# KiCad board handheld.kicad_pcb (continued)
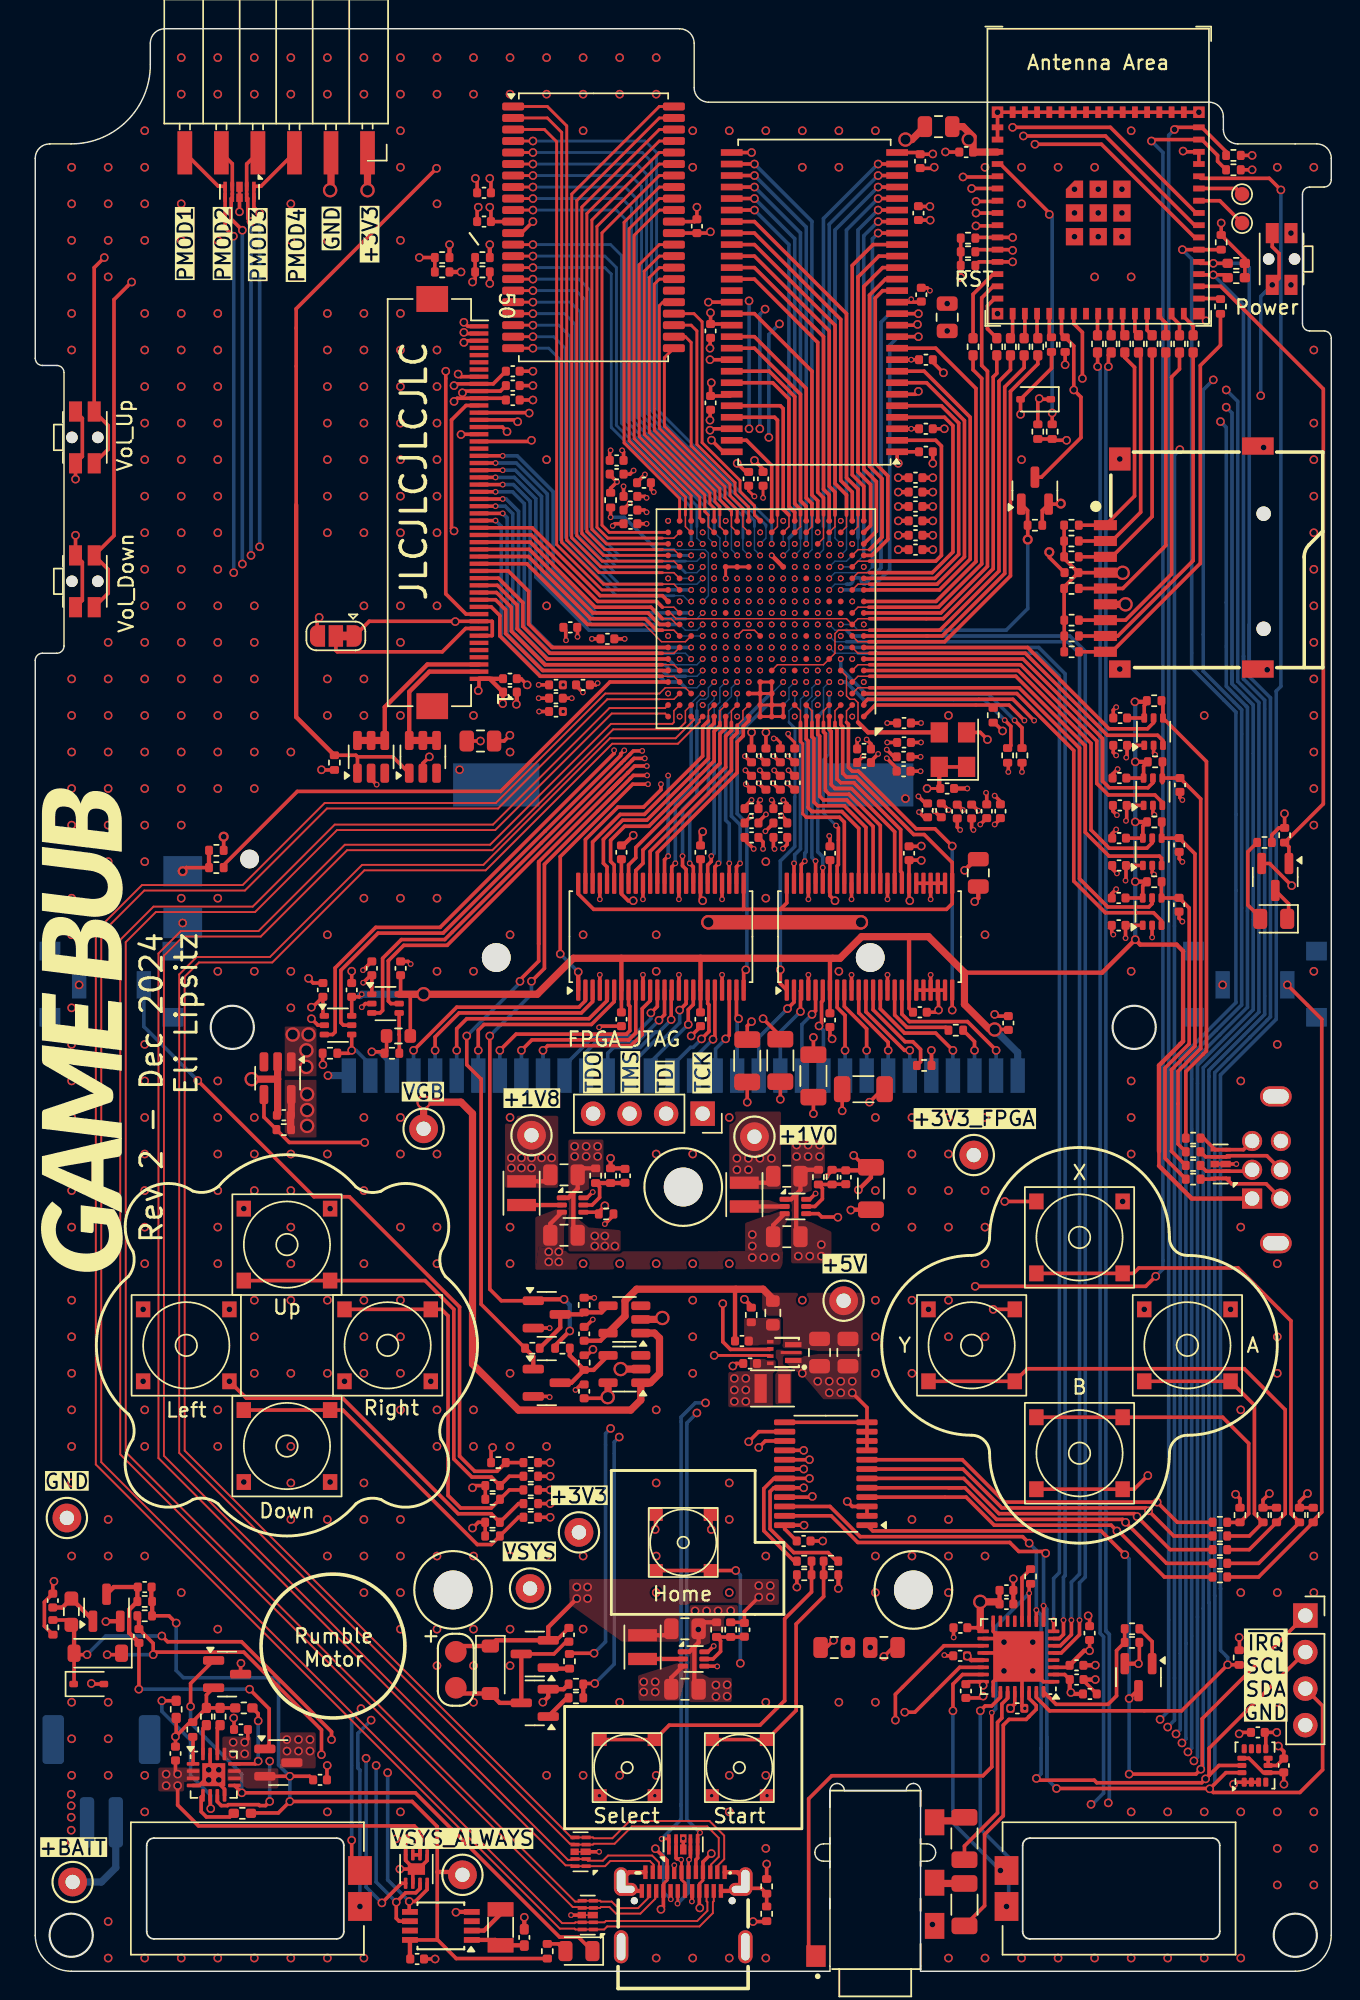
[diagram p0: board, top side]
## Routing (per net, layer and track width the routed paths; a pad name or vN(x,y) marks a point on that pad's centre or on a via; arc(x,y) is an arc through that point) (continued)
GB_Cart_AD14: length 14.1
  F.Cu (SIG) w0.25: v3(44.5,77) 44.25,76.75 U1902.35
  B.Cu (SIG) w0.1: 45.6,88 45.6,88.12 46.28,88.8 v3(46.4,88.8)
  B.Cu (SIG) w0.25: v3(44.5,77) 44.5,81.25 45.6,82.35 45.6,88
GB_Cart_AD15: length 18.6
  F.Cu (SIG) w0.25: U1902.36 43.75,77.25 v3(44,77.5)
  In2.Cu (SIG) w0.1: v3(48,91.2) 47.8,91.2 47.4,90.8 47.07,90.8 46.8,90.53 46.8,90.27 46.53,90 45.2,90
  In2.Cu (SIG) w0.25: 45.2,90 45.15,89.95 45.15,87.55 45.4,87.3 45.4,84.5 v3(44,83.1)
  B.Cu (SIG) w0.25: v3(44,83.1) v3(44,77.5)
GB_Cart_PHI: length 15
  F.Cu (SIG) w0.1: U601.B3 55.6,87.6 55.6,86.8
  F.Cu (SIG) w0.25: U1904.32 60.25,76.35 60.16,76.43 60.16,79.34 56.91,82.6 56,82.6 55.74,82.86 55.74,86.33 55.6,86.47 55.6,86.8
GB_Cart_VIN: length 47.3
  F.Cu (SIG) w0.25: U1903.3 20.67,65.1 20.85,65.28 20.85,69.73 23.67,72.55 28.15,72.55 40.24,84.64 v3(40.24,84.86)
  In2.Cu (SIG) w0.1: v3(48,95.2) 47.6,95.6 44.4,95.6
  In2.Cu (SIG) w0.25: v3(40.24,84.86) 40.24,89.14 41.5,90.4 41.5,92.7 44.4,95.6
GB_Cart_~{CS1}: length 14.1
  F.Cu (SIG) w0.25: U1904.36 58.25,79.56 56.41,81.4 54.8,81.4 54.53,81.67 54.53,85.84 54.4,85.97 U601.A5
GB_Cart_~{CS2}: length 41.8
  F.Cu (SIG) w0.25: U1901.3 23.97,66.6 24.15,66.78 24.15,70.4 25.45,71.7 28.47,71.7 35.19,78.41 40.74,83.96 41.58,84.81 v3(42.2,84.81)
  In2.Cu (SIG) w0.1: 45.2,94 46.8,94 v3(47.2,93.6)
  In2.Cu (SIG) w0.25: v3(42.2,84.81) 42.3,84.92 42.3,92.3 44,94 45.2,94
GB_Cart_~{OE}: length 48.2
  F.Cu (SIG) w0.25: U1904.48 52.25,74.25 51.8,73.8 ; 49.2,73.8 51.8,73.8 ; 49.2,73.8 38.83,73.8 37.75,74.88 U1902.48 ; 49.2,73.8 49.25,73.85 U1902.25 ; 51.8,73.8 63.35,73.8 63.75,74.2 U1904.25 63.75,77.05 61.8,79 61.07,79 57.07,83 56.4,83 56.14,83.26 56.14,86.5 56,86.63 U601.A3
GB_Cart_~{RD}: length 15
  F.Cu (SIG) w0.1: 54.8,86.8 54.8,87.6 U601.B4
  F.Cu (SIG) w0.25: U1904.35 58.75,79.63 56.58,81.8 55.2,81.8 54.94,82.06 54.94,86 54.8,86.14 54.8,86.8
GB_Cart_~{WR}: length 14.1
  F.Cu (SIG) w0.25: U601.A4 55.2,86.3 55.34,86.17 55.34,82.47 55.6,82.2 56.74,82.2 59.75,79.19 U1904.33
GB_Dir_Cart0: length 29.5
  F.Cu (SIG) w0.25: v1(36.5,70.7) 36.5,77.47 41.53,82.5 v3(42.6,82.5)
  F.Cu (SIG) w0.3: U1902.1 v1(37.75,69.45)
  In2.Cu (SIG) w0.1: 45.2,90.8 46.53,90.8 46.93,91.2 v3(47.2,91.2)
  In2.Cu (SIG) w0.25: 45.2,90.8 44.75,90.35 44.75,87.79 44.3,87.34 44.3,84.2 v3(42.6,82.5)
  B.Cu (SIG) w0.25: v1(37.75,69.45) v1(36.5,70.7)
GB_Dir_Cart1: length 24.1
  F.Cu (SIG) w0.25: v1(49.4,69.6) 49.25,69.45 U1902.24
  B.Cu (SIG) w0.1: 52,88 52.4,88.4 52.4,89.2 v3(52.8,89.6)
  B.Cu (SIG) w0.25: v1(49.4,69.6) 49.47,69.67 49.47,79.78 48.8,80.45 48.8,85.91 50.89,88 52,88
GB_Dir_Cart2: length 21.6
  F.Cu (SIG) w0.25: U1904.1 51.8,68.64 v1(51.8,69.6)
  B.Cu (SIG) w0.1: 52.4,86.8 52.4,87.6 52.8,88 v3(52.8,88.8)
  B.Cu (SIG) w0.2: 52.82,81.62 52.82,86.38 52.4,86.8
  B.Cu (SIG) w0.25: 52.8,81.62 52.8,78.17 51.8,77.17 v1(51.8,69.6)
GB_Dir_Cart3: length 26.8
  F.Cu (SIG) w0.1: 56.4,86.8 56.4,87.6 U601.B2
  F.Cu (SIG) w0.25: U1904.24 v1(63.75,66.8) ; v1(63.75,78.2) 62.55,79.4 61.24,79.4 57.24,83.4 56.8,83.4 56.54,83.66 56.54,86.66 56.4,86.8
  B.Cu (SIG) w0.25: v1(63.75,66.8) v1(63.75,78.2)
GB_Dir_SC: length 23
  F.Cu (SIG) w0.25: U601.G1 69,92 74.65,86.35 77.32,86.35 77.75,86.78 U2004.5
GB_Dir_SD: length 26
  F.Cu (SIG) w0.25: U2002.5 77.71,82.6 77.35,82.25 74.67,82.25 74.2,82.72 74.2,85.67 68.67,91.2 U601.F1
GB_Dir_SI: length 29.2
  F.Cu (SIG) w0.25: U2003.5 77.66,78.43 77.28,78.05 74.67,78.05 73.4,79.32 73.4,85.34 68.34,90.4 U601.E1
GB_Dir_SO: length 33.1
  F.Cu (SIG) w0.1: U601.C2 57.2,89.2 58,89.2
  F.Cu (SIG) w0.25: 58,89.2 68.41,89.2 72.6,85.01 72.6,75.93 74.56,73.97 77.42,73.97 77.65,74.19 U2001.5
GB_Dir_VIN: length 45
  F.Cu (SIG) w0.25: v3(40.95,84.85) 40.7,84.6 40.7,84.49 35.45,79.25 28.35,72.15 23.83,72.15 21.25,69.56 21.25,65.92 21.42,65.75 U1903.5
  In2.Cu (SIG) w0.1: v3(47.2,95.2) 46.8,94.8 44.4,94.8
  In2.Cu (SIG) w0.25: 44.4,94.8 44.23,94.8 41.9,92.47 41.9,85.8 v3(40.95,84.85)
GB_Dir_~{CS2}: length 40.4
  F.Cu (SIG) w0.25: U1901.5 24.72,67.25 24.55,67.42 24.55,70.23 25.62,71.3 28.64,71.3 41.12,83.78 41.63,84.29 v3(42.38,84.29)
  In2.Cu (SIG) w0.1: 45.2,93.2 46.8,93.2 v3(47.2,92.8)
  In2.Cu (SIG) w0.25: 45.2,93.2 44.4,93.2 44.35,93.25 43.81,93.25 43.55,92.99 43.55,92.61 42.7,91.76 42.7,84.62 v3(42.38,84.29)
GB_Link_SC: length 24.6
  F.Cu (SIG) w0.1: U601.G2 57.2,91.6 58,91.6
  F.Cu (SIG) w0.25: 58,91.6 68.83,91.6 74.53,85.9 78.02,85.9 78.4,85.52 U2004.3
GB_Link_SD: length 27.6
  F.Cu (SIG) w0.1: U601.E2 57.2,90.8 58,90.8
  F.Cu (SIG) w0.25: U2002.3 78.35,81.23 77.84,81.75 74.6,81.75 73.8,82.55 73.8,85.5 68.5,90.8 58,90.8
GB_Link_SI: length 30.9
  F.Cu (SIG) w0.1: 58,90 57.2,90 U601.D2
  F.Cu (SIG) w0.25: 58,90 68.17,90 73,85.17 73,79.15 74.65,77.5 78.16,77.5 78.31,77.35 U2003.3
GB_Link_SO: length 32.9
  F.Cu (SIG) w0.25: U2001.3 78.29,73.01 77.74,73.56 74.4,73.56 72.2,75.76 72.2,84.84 68.24,88.8 U601.C1
HDMI_CLK+: length 129
  F.Cu (SIG) w0.13: J501.A10 46.99,6.94 46.99,7.41 47.52,7.95 47.52,9.26 46.72,10.06 41.48,10.06 40.28,8.86 38.83,8.86 38.77,8.8 D503.4 D503.7 37.47,8.86 37.17,8.86 10.01,36.02 10.01,69.28 11.22,70.49 16.32,70.49 22.72,76.89 31.15,76.89 39.95,85.69 44.52,85.69 45.81,86.98 45.81,86.99 U601.A16
HDMI_CLK-: length 129
  F.Cu (SIG) w0.13: U601.A15 46.19,86.99 46.19,86.82 44.68,85.31 40.11,85.31 31.31,76.51 22.88,76.51 16.48,70.11 11.38,70.11 10.39,69.12 10.39,36.18 37.33,9.24 37.47,9.24 D503.6 D503.5 38.77,9.3 38.83,9.24 40.12,9.24 41.32,10.44 46.88,10.44 47.9,9.42 47.9,7.79 47.37,7.26 47.37,6.94 J501.A11
HDMI_D0+: length 141
  F.Cu (SIG) w0.1: 43.4,88.4 44.4,88.4 U601.C17
  F.Cu (SIG) w0.13: 43.4,88.4 39.77,88.4 32.18,80.81 20.28,80.81 14.58,75.11 7.58,75.11 4.59,72.12 4.59,35.38 36.63,3.34 37.5,3.34 37.56,3.4 D502.9 D502.2 39.58,3.4 39.67,3.49 46.02,3.49 46.73,4.2 46.73,4.81 46.67,4.87 J501.B3
HDMI_D0-: length 143.9
  F.Cu (SIG) w0.1: U601.C16 45.2,89.2 43.8,89.2 43.4,88.8
  F.Cu (SIG) w0.13: J501.B2 47.17,4.87 47.11,4.81 47.11,4.04 46.18,3.11 39.76,3.11 39.55,2.9 D502.1 D502.10 37.56,2.9 37.5,2.96 36.47,2.96 4.21,35.22 4.21,72.28 7.42,75.49 14.42,75.49 20.12,81.19 32.02,81.19 39.63,88.8 43.4,88.8
HDMI_D1+: length 125.9
  F.Cu (SIG) w0.1: U601.B17 44.4,87.6 44.4,86.8
  F.Cu (SIG) w0.13: J501.A2 42.93,7.21 42.99,7.26 42.99,7.41 42.73,7.66 39.98,7.66 39.62,7.3 D503.1 D503.10 37.34,7.3 37.28,7.36 36.87,7.36 8.56,35.67 8.56,70.73 10.12,72.29 15.52,72.29 21.52,78.29 31.62,78.29 40.02,86.69 44.29,86.69 44.4,86.8
HDMI_D1-: length 126.3
  F.Cu (SIG) w0.1: U601.B16 45.2,87.6 45.2,86.8
  F.Cu (SIG) w0.13: J501.A3 43.42,7.21 43.37,7.26 43.37,7.56 42.89,8.04 39.82,8.04 39.46,7.68 38.42,7.68 D503.2 D503.9 37.34,7.8 37.28,7.74 37.03,7.74 8.94,35.82 8.94,70.58 10.28,71.91 15.68,71.91 21.68,77.91 31.78,77.91 40.18,86.31 44.71,86.31 45.2,86.8
HDMI_D2+: length 130.6
  F.Cu (SIG) w0.13: U601.A18 43.79,87.41 40.08,87.41 31.98,79.31 20.98,79.31 15.28,73.61 8.38,73.61 6.29,71.52 6.29,36.08 37.53,4.84 37.78,4.84 37.84,4.9 D502.6 D502.5 39.27,4.9 39.33,4.84 40.08,4.84 40.53,4.38 41.92,4.38 42.73,5.2 42.73,5.52 J501.B11 42.67,5.25 42.73,5.19
HDMI_D2-: length 132.5
  F.Cu (SIG) w0.13: U601.B18 43.79,87.79 39.92,87.79 31.82,79.69 20.82,79.69 15.12,73.99 8.22,73.99 5.91,71.68 5.91,35.92 37.37,4.46 37.78,4.46 37.84,4.4 D502.7 D502.4 39.27,4.4 39.33,4.46 39.92,4.46 40.38,4 42.07,4 43.11,5.04 43.11,5.52 J501.B10 43.17,5.25 43.11,5.19
I2C0_SCL: length 246.7
  F.Cu (SIG) w0.25: U401.33 80.95,117.9 v1(81.9,117.9) 82.7,117.9 R404.2 ; U1502.6 25.3,3.47 25.1,3.68 v1(25.1,4.8) 25.75,5.45 26.45,5.45 26.75,5.75 U201.7 ; v1(69.6,13.4) 69.72,13.28 73.62,13.28 73.8,13.1 81.1,13.1 v1(81.37,13.37) ; U1501.13 82.3,14.3 v1(81.37,13.37) ; v1(81.37,13.37) 81.61,13.61 81.61,15.49 J401.2 ; U1701.10 v3(69.6,25.1) ; v1(69.1,29.75) 68.65,30.2 57.35,30.2 55.25,32.3 U1601.22
  In2.Cu (SIG) w0.25: v1(23.7,14.3) 24.09,14.69 76.81,14.69 78.12,13.37 v1(81.37,13.37)
  B.Cu (SIG) w0.25: v1(69.1,29.75) 69.6,29.25 v3(69.6,25.1) 69.93,24.78 69.93,13.72 v1(69.6,13.4) ; 84,89.83 84,91.4 ; 84,91.4 84,89.81 85.47,88.33 85.47,66.5 81.6,62.62 81.6,25.6 81.61,25.59 81.61,13.61 v1(81.37,13.37) ; 84,91.4 84,115.8 v1(81.9,117.9) ; v1(23.7,14.3) 23.7,6.2 v1(25.1,4.8)
I2C0_SDA: length 254.7
  F.Cu (SIG) w0.25: U1601.23 55.34,31.65 57.19,29.8 67.75,29.8 68.38,29.17 70.12,29.17 v1(70.25,29.05) ; v1(81.65,12.68) 81.63,12.7 v1(71,12.7) ; v1(81.65,12.68) 81.9,12.43 87.93,12.43 89.5,14 89.5,18.44 J401.3 ; v1(81.65,12.68) 82.78,13.8 U1501.14 ; R405.2 v1(81.9,118.7) 81,118.7 U401.34 ; U1701.9 v3(70.1,25.4) ; U1502.5 26,4.18 v1(26,4.85) 26.42,4.85 27.25,5.68 U201.8
  In2.Cu (SIG) w0.25: v1(81.65,12.68) 78.25,12.68 76.64,14.29 24.99,14.29 v1(24.5,13.8)
  B.Cu (SIG) w0.25: v1(24.5,13.8) 24.5,6.35 v1(26,4.85) ; 70.32,13.47 70.32,16.3 ; v1(81.9,118.7) 84.1,118.7 84.4,118.4 84.4,93.6 ; v1(70.25,29.05) 70.1,28.9 v3(70.1,25.4) 70.32,25.18 70.32,16.3 ; 84.4,93.6 84.4,89.97 85.88,88.5 85.88,66.33 82,62.46 82,26.1 82.01,26.09 82.01,13.03 v1(81.65,12.68) ; 84.4,93.6 84.4,90 ; 70.32,16.3 70.32,13.38 v1(71,12.7)
LCD_BACKLIGHT: length 112.2
  F.Cu (SIG) w0.25: U401.38 80.7,122.2 74.75,128.15 v1(67.95,128.15) ; 22.4,84.4 24.86,84.4 U1301.1 ; 22.4,84.4 U1302.1 ; 22.4,84.4 22.29,84.51 R1301.1 ; 18.14,101.9 18.14,115.54 v1(27.9,125.3)
  F.Cu (SIG) w0.3: R1301.1 18.14,87.17 18.14,101.9
  In2.Cu (SIG) w0.25: v1(67.95,128.15) 66.55,128.15 65.3,129.4 29,129.4 27.9,128.3 v1(27.9,125.3)
LCD_D/~{CX}: length 42.5
  F.Cu (SIG) w0.25: v1(33.54,107.69) 33.41,107.82 J1301.37 ; U401.7 66.85,123 v1(65.4,123)
  In2.Cu (SIG) w0.25: v1(65.4,123) 61.7,119.3 46.16,119.3 34.55,107.69 v1(33.54,107.69)
LCD_DATA_EN: length 16.2
  F.Cu (SIG) w0.25: U601.F18 35.6,91.2 33.5,93.3 33.5,94.95 32.13,96.32 J1301.14
LCD_DB0: length 22.5
  F.Cu (SIG) w0.25: J1301.32 v3(32.5,105.32)
  B.Cu (SIG) w0.25: v3(32.5,105.32) 33.51,105.32 36,102.83 36,97.4 39,94.4 v3(45.6,94.4)
LCD_DB1: length 23.4
  F.Cu (SIG) w0.25: J1301.31 v3(32,104.82)
  B.Cu (SIG) w0.1: v3(46.4,94.4) 46,94 45.2,94
  B.Cu (SIG) w0.25: 45.2,94 38.83,94 35.6,97.23 35.6,102.66 33.44,104.82 v3(32,104.82)
LCD_DB2: length 23.5
  F.Cu (SIG) w0.25: J1301.30 v3(32.5,104.32)
  B.Cu (SIG) w0.1: 44.8,93.6 45.2,93.2 46,93.2 v3(46.4,93.6)
  B.Cu (SIG) w0.25: v3(32.5,104.32) 33.38,104.32 35.2,102.5 35.2,97.07 38.67,93.6 44.8,93.6
LCD_DB3: length 23.3
  F.Cu (SIG) w0.25: J1301.29 v3(32,103.82)
  B.Cu (SIG) w0.1: 43.6,93.2 44.4,93.2 44.8,92.8 v3(46.4,92.8)
  B.Cu (SIG) w0.25: v3(32,103.82) 33.31,103.82 34.8,102.33 34.8,96.9 38.5,93.2 43.6,93.2
LCD_DB4: length 24.5
  F.Cu (SIG) w0.25: J1301.28 v3(32.5,103.32)
  B.Cu (SIG) w0.25: v3(45.6,92) 36,92 34.4,93.6 34.4,102.17 33.25,103.32 v3(32.5,103.32)
LCD_DB5: length 24.6
  F.Cu (SIG) w0.25: J1301.27 v3(32,102.82)
  B.Cu (SIG) w0.1: 44.4,91.6 45.2,91.6 v3(45.6,91.2)
  B.Cu (SIG) w0.25: 44.4,91.6 35.83,91.6 34,93.43 34,102 33.18,102.82 v3(32,102.82)
LCD_DB6: length 25.3
  F.Cu (SIG) w0.25: J1301.26 v3(32.5,102.32)
  B.Cu (SIG) w0.1: 44.4,90.8 46,90.8 v3(46.4,91.2)
  B.Cu (SIG) w0.25: v3(32.5,102.32) 32.74,102.32 33.6,101.46 33.6,93.27 35.67,91.2 44,91.2 44.4,90.8
LCD_DB7: length 24.3
  F.Cu (SIG) w0.25: J1301.25 v3(32,101.82)
  B.Cu (SIG) w0.25: v3(45.6,90.4) 44.2,90.4 43.8,90.8 35.5,90.8 33.2,93.1 33.2,101.29 32.67,101.82 v3(32,101.82)
LCD_DB8: length 25.1
  F.Cu (SIG) w0.25: J1301.24 v3(32.5,101.32)
  B.Cu (SIG) w0.1: v3(46.4,90.4) 46,90 45.2,90
  B.Cu (SIG) w0.25: v3(32.5,101.32) 32.8,101.02 32.8,92.94 35.34,90.4 43.6,90.4 44,90 45.2,90
LCD_DB9: length 25
  F.Cu (SIG) w0.25: J1301.23 v3(32,100.82)
  B.Cu (SIG) w0.1: 45.2,89.2 46,89.2 v3(46.4,89.6)
  B.Cu (SIG) w0.25: 45.2,89.2 44.8,89.6 43.8,89.6 43.4,90 35.17,90 32.4,92.77 32.4,100.42 v3(32,100.82)
LCD_DB10: length 15.3
  F.Cu (SIG) w0.25: J1301.22 34.55,100.32 39.27,95.6 43.6,95.6 U601.L18
LCD_DB11: length 16.2
  F.Cu (SIG) w0.1: 43.6,94.8 44.4,94.8 U601.K17
  F.Cu (SIG) w0.25: 43.6,94.8 43.2,95.2 39.1,95.2 34.48,99.82 J1301.21
LCD_DB12: length 16.3
  F.Cu (SIG) w0.1: U601.J17 44.6,93.6 44.2,94 43.6,94
  F.Cu (SIG) w0.25: J1301.20 34.42,99.32 38.94,94.8 42.8,94.8 43.6,94
LCD_DB13: length 15.3
  F.Cu (SIG) w0.25: U601.J18 43.4,93.6 42.6,94.4 38.77,94.4 34.35,98.82 J1301.19
LCD_DB14: length 16.2
  F.Cu (SIG) w0.1: 43.6,93.2 44.4,93.2 U601.H17
  F.Cu (SIG) w0.25: J1301.18 34.29,98.32 38.61,94 42.4,94 43.2,93.2 43.6,93.2
LCD_DB15: length 17.2
  F.Cu (SIG) w0.1: 42.2,93.6 42.34,93.6 43.54,92.4 45.2,92.4 U601.H16
  F.Cu (SIG) w0.25: 42.2,93.6 38.4,93.6 34.18,97.82 J1301.17
LCD_DB16: length 16.7
  F.Cu (SIG) w0.25: J1301.16 32.89,97.32 34.3,95.91 34.3,93.63 35.93,92 U601.G18
LCD_DB17: length 17.2
  F.Cu (SIG) w0.1: U601.G17 44.4,91.6 43.6,91.6
  F.Cu (SIG) w0.25: 43.6,91.6 35.76,91.6 33.9,93.46 33.9,95.12 32.2,96.82 J1301.15
LCD_DOTCLK: length 17.2
  F.Cu (SIG) w0.1: U601.E17 44.4,90.8 43.6,90.8
  F.Cu (SIG) w0.25: J1301.13 32.07,95.82 33.1,94.79 33.1,93.13 35.43,90.8 43.6,90.8
LCD_HSYNC: length 16.2
  F.Cu (SIG) w0.25: J1301.12 32,95.32 32.7,94.62 32.7,92.97 35.27,90.4 U601.E18
LCD_SPI_CLK: length 42.6
  F.Cu (SIG) w0.25: v1(32.8,107) 32.48,107.32 J1301.36 ; U401.8 66.89,122.19 v1(65.41,122.19)
  In2.Cu (SIG) w0.25: v1(65.41,122.19) 65.16,122.19 61.87,118.9 46.5,118.9 34.6,107 v1(32.8,107) 32.86,107 32.88,106.97
LCD_SPI_PICO: length 42.3
  F.Cu (SIG) w0.25: v1(65.4,121.3) 66.85,121.3 U401.9 ; v1(34.5,106.4) 34.42,106.32 J1301.34
  In2.Cu (SIG) w0.25: v1(34.5,106.4) 34.7,106.4 46.8,118.5 62.03,118.5 64.83,121.3 v1(65.4,121.3)
LCD_TE: length 31
  F.Cu (SIG) w0.25: v1(29.12,100.1) 28.94,100.28 28.94,107.81 29.95,108.82 J1301.39
  In2.Cu (SIG) w0.1: v3(49.6,99.2) 49.22,99.58 45.22,99.58 45.1,99.7
  In2.Cu (SIG) w0.25: v1(29.12,100.1) 29.51,99.7 45.1,99.7
LCD_VSYNC: length 16.9
  F.Cu (SIG) w0.1: 43.6,90 44.4,90 U601.D17
  F.Cu (SIG) w0.25: 43.6,90 35.1,90 32.3,92.8 32.3,94.22 31.7,94.82 J1301.11
LCD_~{CS}: length 43.2
  F.Cu (SIG) w0.25: v1(34.34,108.29) 34.31,108.32 J1301.38 ; v1(65.1,123.9) U401.6
  In2.Cu (SIG) w0.25: v1(34.34,108.29) 34.43,108.29 45.84,119.7 61.53,119.7 63.3,121.47 63.3,122.6 64.6,123.9 v1(65.1,123.9)
LCD_~{RST}: length 63.7
  F.Cu (SIG) w0.25: U401.5 66.85,124.7 v1(64.5,124.7) ; J1301.10 29.95,94.32 28.54,95.73 v1(28.54,111.2)
  In2.Cu (SIG) w0.25: v1(64.5,124.7) 63.7,124.7 62.9,123.9 62.9,121.64 61.36,120.1 42.7,120.1 34.88,112.28 29.62,112.28 v1(28.54,111.2)
MCU_~{IRQ}: length 247.7
  F.Cu (SIG) w0.25: v1(76.05,18.95) 76.6,19.5 Q1701.3 ; U401.20 71.35,113.81 R403.2 72.2,112.96 v1(72.2,109.9) 72.7,109.4 72.7,106.59 69.95,103.84 Q1201.3 ; J401.1 81.13,17.55 81.13,14.14 v1(81.03,14.04) 80.69,13.7 v1(76.05,13.7) ; U201.5 25.46,6.11 v1(24.1,4.75) ; v1(75.75,28.95) 74.1,30.6 58.22,30.6 57.82,31
  In2.Cu (SIG) w0.25: v1(23,14.8) 23.29,15.09 76.97,15.09 78.02,14.04 v1(81.03,14.04) ; v1(72.2,109.9) v1(82.8,109.9)
  B.Cu (SIG) w0.25: v1(23,14.8) 23,5.85 v1(24.1,4.75) ; v1(81.03,14.04) 81.2,14.21 81.2,62.79 85.07,66.66 85.07,88.17 83.6,89.64 83.6,109.1 v1(82.8,109.9) ; v1(75.75,28.95) 76.05,28.65 v1(76.05,18.95) v1(76.05,13.7)
SDRAM_0_~{CS}: length 21.8
  F.Cu (SIG) w0.25: U1401.19 58.25,120 56.8,118.55 56.8,104 57.6,103.2 U601.V1
SDRAM_A0: length 27.2
  F.Cu (SIG) w0.25: v1(58.6,123.2) U1401.23
  B.Cu (SIG) w0.1: 56.4,101.2 56.4,98.8 v3(56,98.4)
  B.Cu (SIG) w0.25: v1(58.6,123.2) 58.59,123.2 56.4,121.01 56.4,101.2
SDRAM_A1: length 27.5
  F.Cu (SIG) w0.25: v1(58.6,124) U1401.24
  B.Cu (SIG) w0.1: 55.6,101.2 55.6,99.6 v3(56,99.2)
  B.Cu (SIG) w0.25: v1(58.6,124) 58.59,124 55.6,121.01 55.6,101.2
SDRAM_A2: length 28.3
  F.Cu (SIG) w0.25: v1(58.6,124.8) U1401.25
  B.Cu (SIG) w0.25: v3(55.2,99.2) 55.2,121.41 58.59,124.8 v1(58.6,124.8)
SDRAM_A3: length 30.3
  F.Cu (SIG) w0.25: v1(58.6,125.6) U1401.26
  B.Cu (SIG) w0.1: 54.8,100.4 54.8,98.8 v3(54.4,98.4)
  B.Cu (SIG) w0.25: v1(58.6,125.6) 58.59,125.6 54.8,121.81 54.8,100.4
SDRAM_A4: length 30.6
  F.Cu (SIG) w0.25: v1(50,125.6) U1401.29
  B.Cu (SIG) w0.1: v3(53.6,98.4) 54,98.8 54,100.4
  B.Cu (SIG) w0.25: 54,100.4 54,121.61 50.01,125.6 v1(50,125.6)
SDRAM_A5: length 28.7
  F.Cu (SIG) w0.25: v1(50,124.8) U1401.30
  B.Cu (SIG) w0.25: v3(53.6,99.2) 53.6,121.21 50.01,124.8 v1(50,124.8)
SDRAM_A6: length 28.7
  F.Cu (SIG) w0.25: v1(50,124) U1401.31
  B.Cu (SIG) w0.1: v3(52.8,98.4) 53.2,98.8 53.2,99.6
  B.Cu (SIG) w0.25: v1(50,124) 50.01,124 53.2,120.81 53.2,99.6
SDRAM_A7: length 27.9
  F.Cu (SIG) w0.25: v1(50,123.2) U1401.32
  B.Cu (SIG) w0.1: v3(52,98.4) 52.4,98.8 52.4,99.6
  B.Cu (SIG) w0.25: 52.4,99.6 52.8,100 52.8,120.41 50.01,123.2 v1(50,123.2)
SDRAM_A8: length 25.9
  F.Cu (SIG) w0.25: v1(50,122.4) U1401.33
  B.Cu (SIG) w0.1: v3(52,99.2) 52,100 52.4,100.4 52.4,101.2
  B.Cu (SIG) w0.25: 52.4,101.2 52.4,120 v1(50,122.4)
SDRAM_A9: length 26.3
  F.Cu (SIG) w0.1: U601.U2 57.2,100.4 57.2,101.2
  F.Cu (SIG) w0.25: 57.2,101.2 57.2,103 56.4,103.8 56.4,115.2 50,121.6 U1401.34
SDRAM_A10: length 28
  F.Cu (SIG) w0.25: v1(58.6,122.4) U1401.22
  B.Cu (SIG) w0.1: 57.2,99.6 57.2,98.8 56.4,98 55.6,98 v3(55.2,97.6)
  B.Cu (SIG) w0.25: v1(58.6,122.4) 58.59,122.4 57.2,121.01 57.2,99.6
SDRAM_A11: length 24.4
  F.Cu (SIG) w0.25: U1401.35 50,120.8 56,114.8 56,103.6 56.8,102.8 U601.V2
SDRAM_A12: length 24.4
  F.Cu (SIG) w0.1: 56.4,101.2 56.4,100.4 U601.U3
  F.Cu (SIG) w0.25: 56.4,101.2 56.4,102.6 55.6,103.4 55.6,114.4 50,120 U1401.36
SDRAM_BS0: length 28
  F.Cu (SIG) w0.25: v1(58.6,120.8) U1401.20
  B.Cu (SIG) w0.1: 58.2,97.6 57.8,97.2 55.6,97.2 v3(55.2,96.8)
  B.Cu (SIG) w0.25: 58.2,97.6 58.2,120.4 v1(58.6,120.8)
SDRAM_BS1: length 26.9
  F.Cu (SIG) w0.25: v1(58.6,121.6) U1401.21
  B.Cu (SIG) w0.1: 57.6,98.4 56.8,97.6 v3(56,97.6)
  B.Cu (SIG) w0.25: v1(58.6,121.6) 58.59,121.6 57.6,120.61 57.6,98.4
SDRAM_CKE: length 23.3
  F.Cu (SIG) w0.1: 55.6,101.2 55.6,100.4 U601.U4
  F.Cu (SIG) w0.25: U1401.37 50,119.2 55.2,114 55.2,103.2 55.6,102.8 55.6,101.2
SDRAM_CLK: length 21.3
  F.Cu (SIG) w0.25: U601.V4 55.2,102.6 54.8,103 54.8,113.6 50,118.4 U1401.38
SDRAM_DQ0: length 17.4
  F.Cu (SIG) w0.1: 58,98 57.2,98 U601.P2
  F.Cu (SIG) w0.25: U1401.2 62.6,106.4 63,106 63,98.4 62.6,98 58,98
SDRAM_DQ1: length 20.7
  F.Cu (SIG) w0.1: U601.N2 57.2,97.2 58,97.2
  F.Cu (SIG) w0.25: U1401.4 63.21,108 63.8,107.41 63.8,98.63 62.37,97.2 58,97.2
SDRAM_DQ2: length 21.2
  F.Cu (SIG) w0.25: U1401.5 63,108.8 64.2,107.6 64.2,98.47 62.53,96.8 U601.N1
SDRAM_DQ3: length 24
  F.Cu (SIG) w0.1: U601.M2 57.2,96.4 58,96.4
  F.Cu (SIG) w0.25: 58,96.4 62.7,96.4 64.6,98.3 64.6,107.77 61.97,110.4 U1401.7
SDRAM_DQ4: length 24.6
  F.Cu (SIG) w0.25: U1401.8 61.8,111.2 65,108 65,98.14 62.86,96 U601.M1
SDRAM_DQ5: length 27.6
  F.Cu (SIG) w0.25: U1401.10 62.6,112.8 65.4,110 65.4,97.97 62.63,95.2 U601.L1
SDRAM_DQ6: length 23.3
  F.Cu (SIG) w0.25: v1(61.4,113.6) U1401.11
  B.Cu (SIG) w0.25: v1(61.4,113.6) 60,113.6 59.4,113 59.4,97.4 58,96 v3(56,96)
SDRAM_DQ7: length 26.1
  F.Cu (SIG) w0.25: v1(61.4,115.2) U1401.13
  B.Cu (SIG) w0.1: 56.4,96.4 55.6,96.4 v3(55.2,96)
  B.Cu (SIG) w0.25: v1(61.4,115.2) 59.4,115.2 58.8,114.6 58.8,97.54 57.66,96.4 arc(57.5,96.47) 57.43,96.62 arc(57.37,96.78) 57.21,96.85 57.06,96.85 arc(56.9,96.78) 56.83,96.62 arc(56.77,96.47) 56.61,96.4 56.4,96.4
SDRAM_DQ8: length 17.8
  F.Cu (SIG) w0.25: U1401.42 50,115.2 54,111.2 54,102.6 54.4,102.2 U601.V5
SDRAM_DQ9: length 17
  F.Cu (SIG) w0.1: U601.U6 54,100.4 54,101.2
  F.Cu (SIG) w0.25: 54,101.2 54,102 53.6,102.4 53.6,110 50,113.6 U1401.44
SDRAM_DQ10: length 15.1
  F.Cu (SIG) w0.25: U601.V6 53.6,101.8 53.2,102.2 53.2,109.6 50,112.8 U1401.45
SDRAM_DQ11: length 14.9
  F.Cu (SIG) w0.1: U601.U7 53.2,100.4 53.2,101.2
  F.Cu (SIG) w0.25: 53.2,101.2 53.2,101.6 52.8,102 52.8,109.43 51.03,111.2 U1401.47
SDRAM_DQ12: length 13.1
  F.Cu (SIG) w0.25: U1401.48 51.27,110.4 52.4,109.27 52.4,101.8 52.8,101.4 U601.V7
SDRAM_DQ13: length 12.6
  F.Cu (SIG) w0.1: U601.U8 52.4,100.4 52.4,101.2
  F.Cu (SIG) w0.25: U1401.50 51.8,108.8 52,108.6 52,101.6 52.4,101.2
SDRAM_DQ14: length 11.2
  F.Cu (SIG) w0.1: 51.6,101.2 51.6,100.4 U601.U9
  F.Cu (SIG) w0.25: 51.6,101.2 51.6,107.8 51.4,108 U1401.51
SDRAM_DQ15: length 7.4
  F.Cu (SIG) w0.25: U1401.53 49.45,106.4 51.2,104.65 U601.V9
SDRAM_LDQM: length 21
  F.Cu (SIG) w0.25: U601.R1 58.17,98.4 59.28,99.51 59.28,103.92 58.4,104.8 58.4,116.28 58.91,116.8 U1401.15
SDRAM_UDQM: length 22.1
  F.Cu (SIG) w0.1: U601.T5 54.8,99.6 54.8,101.2
  F.Cu (SIG) w0.25: 54.8,101.2 54.8,102.4 54.4,102.8 54.4,113.2 50,117.6 U1401.39
SDRAM_~{CAS}: length 21.5
  F.Cu (SIG) w0.25: U601.T1 58.47,100.08 58.47,103.53 57.6,104.4 57.6,117.09 58.91,118.4 U1401.17
SDRAM_~{RAS}: length 21.6
  F.Cu (SIG) w0.25: U601.U1 58.07,100.47 58.07,103.33 57.2,104.2 57.2,117.75 58.65,119.2 U1401.18
SDRAM_~{WE}: length 22.2
  F.Cu (SIG) w0.1: 58,98.8 57.2,98.8 U601.R2
  F.Cu (SIG) w0.25: 58,98.8 58.88,99.67 58.88,103.72 58,104.6 58,116.49 59.11,117.6 U1401.16
SRAM_A0: length 42
  F.Cu (SIG) w0.1: 43.6,97.2 44.4,97.2 U601.N17
  F.Cu (SIG) w0.2: U1402.1 35.6,129.6 36.95,128.25 36.95,99.45 39.2,97.2 43.6,97.2
SRAM_A1: length 41.9
  F.Cu (SIG) w0.1: 43.6,96.4 44.4,96.4 U601.M17
  F.Cu (SIG) w0.2: 43.6,96.4 39.51,96.4 36.6,99.31 36.6,127.8 35.6,128.8 U1402.2
SRAM_A2: length 40.4
  F.Cu (SIG) w0.2: U1402.3 35.4,128 36.25,127.15 36.25,99.15 39.4,96 U601.M18
SRAM_A3: length 40.8
  F.Cu (SIG) w0.2: v1(34.6,127.2) U1402.4
  B.Cu (SIG) w0.2: v1(34.6,127.2) 42.4,127.2 43.2,126.4 43.2,108.6 51.2,100.6 v3(51.2,99.2)
SRAM_A4: length 39.9
  F.Cu (SIG) w0.2: v1(34.6,126.4) U1402.5
  B.Cu (SIG) w0.1: v3(50.4,99.2) 50.8,99.6 50.8,100.4
  B.Cu (SIG) w0.2: v1(34.6,126.4) 42.2,126.4 42.85,125.75 42.85,108.46 50.8,100.51 50.8,100.4
SRAM_A5: length 30
  F.Cu (SIG) w0.2: v1(34.6,116) U1402.18
  B.Cu (SIG) w0.1: 45.2,97.2 46,97.2 v3(46.4,97.6)
  B.Cu (SIG) w0.2: 45.2,97.2 44.8,97.6 40.4,97.6 37.9,100.1 37.9,115.3 37.2,116 v1(34.6,116)
SRAM_A6: length 28.5
  F.Cu (SIG) w0.2: v1(34.6,115.2) U1402.19
  B.Cu (SIG) w0.1: 43.6,97.2 44.4,97.2 44.8,96.8 v3(45.6,96.8)
  B.Cu (SIG) w0.2: 43.6,97.2 40.31,97.2 37.55,99.96 37.55,114.45 36.8,115.2 v1(34.6,115.2)
SRAM_A7: length 28.9
  F.Cu (SIG) w0.2: v1(34.6,114.4) U1402.20
  B.Cu (SIG) w0.1: 43.6,96.4 46,96.4 v3(46.4,96.8)
  B.Cu (SIG) w0.2: v1(34.6,114.4) 36.4,114.4 37.2,113.6 37.2,99.8 40.6,96.4 43.6,96.4
SRAM_A8: length 27.4
  F.Cu (SIG) w0.2: v1(34.6,113.6) U1402.21
  B.Cu (SIG) w0.2: v1(34.6,113.6) 36.05,113.6 36.85,112.8 36.85,99.66 40.51,96 42,96
  B.Cu (SIG) w0.25: v3(45.6,96) 42,96
SRAM_A9: length 27
  F.Cu (SIG) w0.2: v1(34.6,112.8) U1402.22
  B.Cu (SIG) w0.1: v3(45.6,95.2) 45.45,95.2 45.05,95.6 44.4,95.6
  B.Cu (SIG) w0.2: v1(34.6,112.8) 35.7,112.8 36.5,112 36.5,99.5 40.4,95.6 44.4,95.6
SRAM_A10: length 14.4
  F.Cu (SIG) w0.2: U1402.23 43.74,112.14 43.74,107.38 47.95,103.17 47.95,102.42 48.8,101.57 U601.V12
SRAM_A11: length 16.2
  F.Cu (SIG) w0.1: U601.U11 49.2,100.4 49.2,101.2
  F.Cu (SIG) w0.2: U1402.24 45.2,113.6 45.6,113.2 45.6,106.01 48.3,103.31 48.3,102.56 49.2,101.66 49.2,101.2
SRAM_A12: length 16.5
  F.Cu (SIG) w0.2: U1402.25 45.6,114.4 46,114 46,106.11 48.65,103.46 48.65,102.71 49.6,101.76 U601.V11
SRAM_A13: length 17.7
  F.Cu (SIG) w0.2: U1402.26 45.8,115.2 46.36,114.64 46.36,106.24 49,103.6 49,102.85 50,101.85 50,101.2 U601.V10
SRAM_A14: length 19.1
  F.Cu (SIG) w0.1: 48.4,101.2 48.4,100.4 U601.U12
  F.Cu (SIG) w0.2: U1402.27 43.64,116 43.39,115.75 43.39,107.23 47.6,103.02 47.6,102.27 48.4,101.47 48.4,101.2
SRAM_A15: length 38
  F.Cu (SIG) w0.2: U601.R18 39.51,98.4 38,99.91 38,122.61 43.39,128 U1402.42
SRAM_A16: length 40.5
  F.Cu (SIG) w0.1: U601.P17 44.4,98 43.6,98
  F.Cu (SIG) w0.2: 43.6,98 39.41,98 37.65,99.76 37.65,123.06 43.39,128.8 U1402.43
SRAM_A17: length 41.1
  F.Cu (SIG) w0.2: U601.P18 39.32,97.6 37.3,99.62 37.3,123.51 43.39,129.6 U1402.44
SRAM_IO0: length 38
  F.Cu (SIG) w0.2: v1(34.6,124.8) U1402.7
  B.Cu (SIG) w0.1: v3(49.6,98.4) 49.2,98.8 49.2,99.6
  B.Cu (SIG) w0.2: v1(34.6,124.8) 41.4,124.8 42.15,124.05 42.15,108.17 49.2,101.12 49.2,99.6
SRAM_IO1: length 36.6
  F.Cu (SIG) w0.2: v1(34.6,124) U1402.8
  B.Cu (SIG) w0.1: 48.4,101.2 48.4,98.8 v3(48.8,98.4)
  B.Cu (SIG) w0.2: 48.4,101.2 48.4,101.42 41.8,108.02 41.8,123.2 41,124 v1(34.6,124)
SRAM_IO2: length 34.6
  F.Cu (SIG) w0.2: v1(34.6,123.2) U1402.9
  B.Cu (SIG) w0.1: 47.6,100.4 48,100 v3(48,99.2)
  B.Cu (SIG) w0.2: v1(34.6,123.2) 40.8,123.2 41.45,122.55 41.45,107.88 47.55,101.78 47.55,100.45 47.6,100.4
SRAM_IO3: length 34.3
  F.Cu (SIG) w0.2: v1(34.6,122.4) U1402.10
  B.Cu (SIG) w0.1: 47.2,100 47.6,99.6 47.6,98.8 v3(48,98.4)
  B.Cu (SIG) w0.2: 47.2,100 47.2,101.63 41.1,107.73 41.1,121.7 40.4,122.4 v1(34.6,122.4)
SRAM_IO4: length 30.6
  F.Cu (SIG) w0.2: v1(34.6,120) U1402.13
  B.Cu (SIG) w0.1: 46.8,100.4 46.8,99.6 v3(47.2,99.2)
  B.Cu (SIG) w0.2: 46.8,100.4 46.8,101.54 40.75,107.59 40.75,119.25 40,120 v1(34.6,120)
SRAM_IO5: length 29.2
  F.Cu (SIG) w0.2: v1(34.6,119.2) U1402.14
  B.Cu (SIG) w0.1: v3(46.4,99.2) 46,99.6 46,100.4
  B.Cu (SIG) w0.2: 46,100.4 46,101.84 40.4,107.44 40.4,118.4 39.6,119.2 v1(34.6,119.2)
SRAM_IO6: length 28.1
  F.Cu (SIG) w0.2: v1(34.6,118.4) U1402.15
  B.Cu (SIG) w0.2: v3(45.6,99.2) 45.6,101.75 40.05,107.3 40.05,117.95 39.6,118.4 v1(34.6,118.4)
